# Altium PCB top_LM_v3.PcbDoc (part 2 of 6)
Units mil, origin at the board's own origin, x right, y up, seen from the top; angles counter-clockwise.
Board outline 10500 x 5830 mil, 2 copper layers (Top Layer, Bottom Layer); 771 components, 701 nets, 1994 pads, 493 vias.
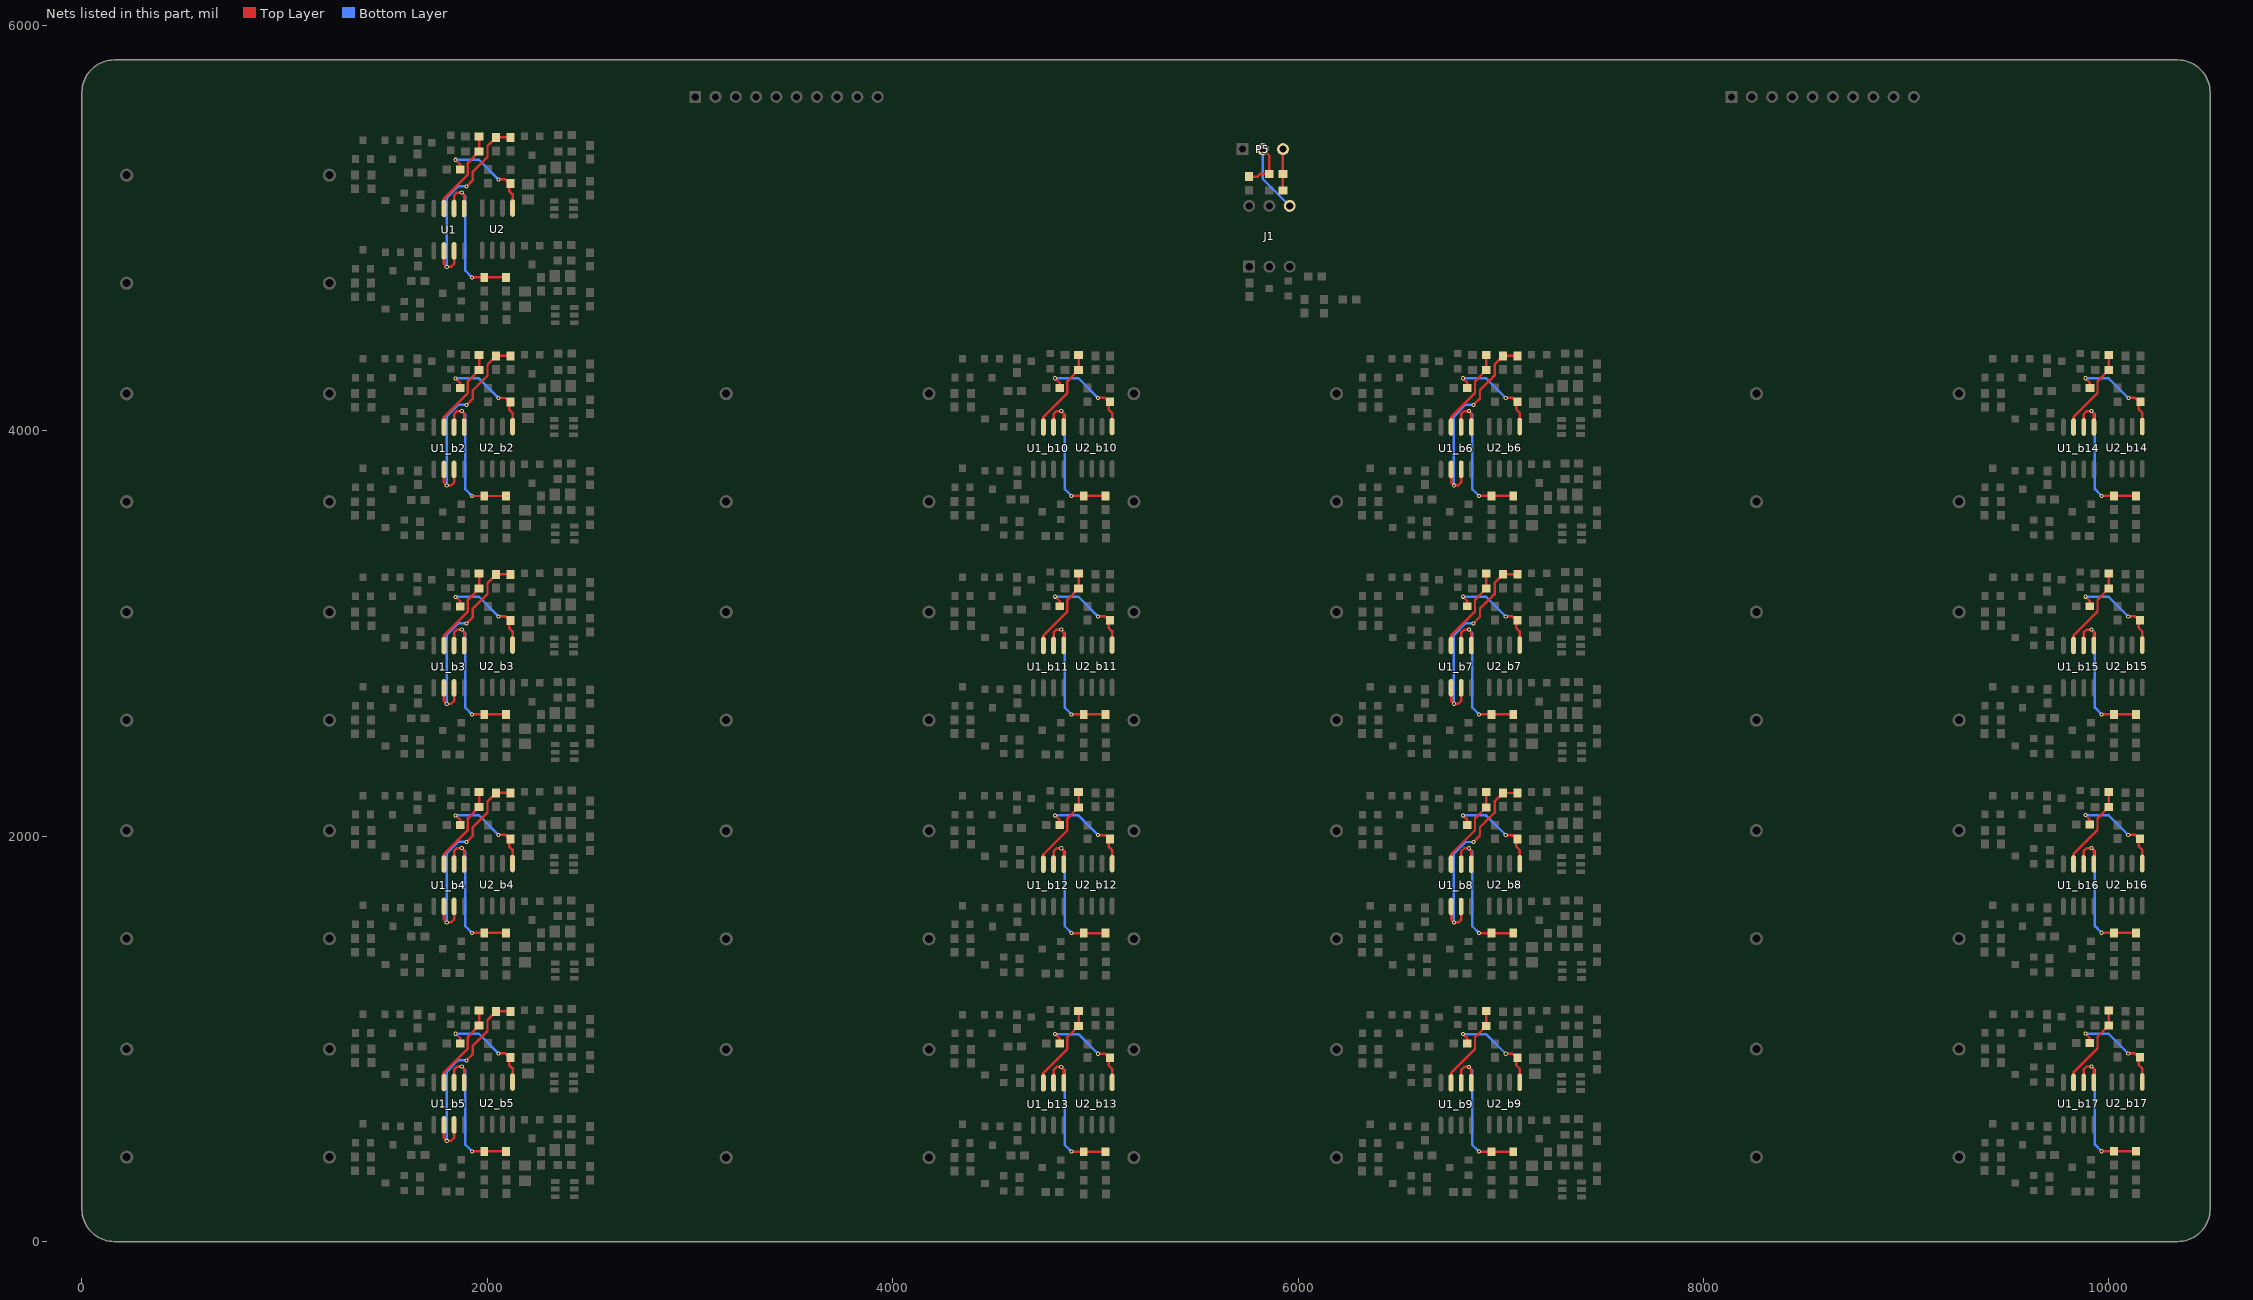
[diagram p2: the nets of this part, all layers, seen from the top]

## Components (designator, comment, footprint, x,y, rotation, side; value= is the part's Value field where it differs from the comment) (continued)
R41_b10 "Res1" 0603-1 4304.82,3617.58 r270 top (schematic designator R41)
R41_b11 "Res1" 0603-1 4304.82,2539.58 r270 top (schematic designator R41)
R41_b12 "Res1" 0603-1 4304.82,1460.58 r270 top (schematic designator R41)
R41_b13 "Res1" 0603-1 4304.82,381.58 r270 top (schematic designator R41)
R41_b14 "Res1" 0603-1 9387.82,3617.58 r270 top (schematic designator R41)
R41_b15 "Res1" 0603-1 9387.57,2539.58 r270 top (schematic designator R41)
R41_b16 "Res1" 0603-1 9387.57,1461.58 r270 top (schematic designator R41)
R41_b17 "Res1" 0603-1 9387.57,383.58 r270 top (schematic designator R41)
R42 "Res1" 0603-1 1426.82,4695.58 r270 top
R42_b2 "Res1" 0603-1 1426.82,3617.26 r270 top (schematic designator R42)
R42_b3 "Res1" 0603-1 1426.82,2539.26 r270 top (schematic designator R42)
R42_b4 "Res1" 0603-1 1426.82,1461.26 r270 top (schematic designator R42)
R42_b5 "Res1" 0603-1 1426.82,383.26 r270 top (schematic designator R42)
R42_b6 "Res1" 0603-1 6396.08,3617.58 r270 top (schematic designator R42)
R42_b7 "Res1" 0603-1 6396.08,2539.58 r270 top (schematic designator R42)
R42_b8 "Res1" 0603-1 6396.08,1460.58 r270 top (schematic designator R42)
R42_b9 "Res1" 0603-1 6396.08,381.58 r270 top (schematic designator R42)
R42_b10 "Res1" 0603-1 4384.82,3617.58 r270 top (schematic designator R42)
R42_b11 "Res1" 0603-1 4384.82,2539.58 r270 top (schematic designator R42)
R42_b12 "Res1" 0603-1 4384.82,1460.58 r270 top (schematic designator R42)
R42_b13 "Res1" 0603-1 4384.82,381.58 r270 top (schematic designator R42)
R42_b14 "Res1" 0603-1 9467.82,3617.58 r270 top (schematic designator R42)
R42_b15 "Res1" 0603-1 9467.57,2539.58 r270 top (schematic designator R42)
R42_b16 "Res1" 0603-1 9467.57,1461.58 r270 top (schematic designator R42)
R42_b17 "Res1" 0603-1 9467.57,383.58 r270 top (schematic designator R42)
R43 "Res1" 0603-1 2092.82,4723.58 r270 top
R43_b2 "Res1" 0603-1 2092.82,3645.26 r270 top (schematic designator R43)
R43_b3 "Res1" 0603-1 2092.82,2567.26 r270 top (schematic designator R43)
R43_b4 "Res1" 0603-1 2092.82,1489.26 r270 top (schematic designator R43)
R43_b5 "Res1" 0603-1 2092.82,411.26 r270 top (schematic designator R43)
R43_b6 "Res1" 0603-1 7062.08,3645.58 r270 top (schematic designator R43)
R43_b7 "Res1" 0603-1 7062.08,2567.58 r270 top (schematic designator R43)
R43_b8 "Res1" 0603-1 7062.08,1488.58 r270 top (schematic designator R43)
R43_b9 "Res1" 0603-1 7062.08,409.58 r270 top (schematic designator R43)
R43_b10 "Res1" 0603-1 5050.82,3645.58 r270 top (schematic designator R43)
R43_b11 "Res1" 0603-1 5050.82,2567.58 r270 top (schematic designator R43)
R43_b12 "Res1" 0603-1 5050.82,1488.58 r270 top (schematic designator R43)
R43_b13 "Res1" 0603-1 5050.82,409.58 r270 top (schematic designator R43)
R43_b14 "Res1" 0603-1 10133.82,3645.58 r270 top (schematic designator R43)
R43_b15 "Res1" 0603-1 10133.57,2567.58 r270 top (schematic designator R43)
R43_b16 "Res1" 0603-1 10133.57,1489.58 r270 top (schematic designator R43)
R43_b17 "Res1" 0603-1 10133.57,411.58 r270 top (schematic designator R43)
R44 "Res1" 0603-1 2093.82,4582.58 r270 top
R44_b2 "Res1" 0603-1 2093.82,3504.26 r270 top (schematic designator R44)
R44_b3 "Res1" 0603-1 2093.82,2426.26 r270 top (schematic designator R44)
R44_b4 "Res1" 0603-1 2093.82,1348.26 r270 top (schematic designator R44)
R44_b5 "Res1" 0603-1 2093.82,270.26 r270 top (schematic designator R44)
R44_b6 "Res1" 0603-1 7063.08,3504.58 r270 top (schematic designator R44)
R44_b7 "Res1" 0603-1 7063.08,2426.58 r270 top (schematic designator R44)
R44_b8 "Res1" 0603-1 7063.08,1347.58 r270 top (schematic designator R44)
R44_b9 "Res1" 0603-1 7063.08,268.58 r270 top (schematic designator R44)
R44_b10 "Res1" 0603-1 5051.82,3504.58 r270 top (schematic designator R44)
R44_b11 "Res1" 0603-1 5051.82,2426.58 r270 top (schematic designator R44)
R44_b12 "Res1" 0603-1 5051.82,1347.58 r270 top (schematic designator R44)
R44_b13 "Res1" 0603-1 5051.82,268.58 r270 top (schematic designator R44)
R44_b14 "Res1" 0603-1 10134.82,3504.58 r270 top (schematic designator R44)
R44_b15 "Res1" 0603-1 10134.57,2426.58 r270 top (schematic designator R44)
R44_b16 "Res1" 0603-1 10134.57,1348.58 r270 top (schematic designator R44)
R44_b17 "Res1" 0603-1 10134.57,270.58 r270 top (schematic designator R44)
R45 "Res1" 0603-1 2114.82,5414.58 r270 top
R45_b2 "Res1" 0603-1 2114.82,4336.26 r270 top (schematic designator R45)
R45_b3 "Res1" 0603-1 2114.82,3258.26 r270 top (schematic designator R45)
R45_b4 "Res1" 0603-1 2114.82,2180.26 r270 top (schematic designator R45)
R45_b5 "Res1" 0603-1 2114.82,1102.26 r270 top (schematic designator R45)
R45_b6 "Res1" 0603-1 7084.08,4336.58 r270 top (schematic designator R45)
R45_b7 "Res1" 0603-1 7084.08,3258.58 r270 top (schematic designator R45)
R45_b8 "Res1" 0603-1 7084.08,2179.58 r270 top (schematic designator R45)
R45_b9 "Res1" 0603-1 7084.08,1100.58 r270 top (schematic designator R45)
R45_b10 "Res1" 0603-1 5072.82,4336.58 r270 top (schematic designator R45)
R45_b11 "Res1" 0603-1 5072.82,3258.58 r270 top (schematic designator R45)
R45_b12 "Res1" 0603-1 5072.82,2179.58 r270 top (schematic designator R45)
R45_b13 "Res1" 0603-1 5072.82,1100.58 r270 top (schematic designator R45)
R45_b14 "Res1" 0603-1 10155.82,4336.58 r270 top (schematic designator R45)
R45_b15 "Res1" 0603-1 10155.57,3258.58 r270 top (schematic designator R45)
R45_b16 "Res1" 0603-1 10155.57,2180.58 r270 top (schematic designator R45)
R45_b17 "Res1" 0603-1 10155.57,1102.58 r270 top (schematic designator R45)
R46 "Res1" 0603-1 2114.82,5254.58 r270 top
R46_b2 "Res1" 0603-1 2114.82,4176.26 r270 top (schematic designator R46)
R46_b3 "Res1" 0603-1 2114.82,3098.26 r270 top (schematic designator R46)
R46_b4 "Res1" 0603-1 2114.82,2020.26 r270 top (schematic designator R46)
R46_b5 "Res1" 0603-1 2114.82,942.26 r270 top (schematic designator R46)
R46_b6 "Res1" 0603-1 7084.08,4176.58 r270 top (schematic designator R46)
R46_b7 "Res1" 0603-1 7084.08,3098.58 r270 top (schematic designator R46)
R46_b8 "Res1" 0603-1 7084.08,2019.58 r270 top (schematic designator R46)
R46_b9 "Res1" 0603-1 7084.08,940.58 r270 top (schematic designator R46)
R46_b10 "Res1" 0603-1 5072.82,4176.58 r270 top (schematic designator R46)
R46_b11 "Res1" 0603-1 5072.82,3098.58 r270 top (schematic designator R46)
R46_b12 "Res1" 0603-1 5072.82,2019.58 r270 top (schematic designator R46)
R46_b13 "Res1" 0603-1 5072.82,940.58 r270 top (schematic designator R46)
R46_b14 "Res1" 0603-1 10155.82,4176.58 r270 top (schematic designator R46)
R46_b15 "Res1" 0603-1 10155.57,3098.58 r270 top (schematic designator R46)
R46_b16 "Res1" 0603-1 10155.57,2020.58 r270 top (schematic designator R46)
R46_b17 "Res1" 0603-1 10155.57,942.58 r270 top (schematic designator R46)
R47 "Res1" 0603-1 2042.82,5414.58 r270 top
R47_b2 "Res1" 0603-1 2042.82,4336.26 r270 top (schematic designator R47)
R47_b3 "Res1" 0603-1 2042.82,3258.26 r270 top (schematic designator R47)
R47_b4 "Res1" 0603-1 2042.82,2180.26 r270 top (schematic designator R47)
R47_b5 "Res1" 0603-1 2042.82,1102.26 r270 top (schematic designator R47)
R47_b6 "Res1" 0603-1 7012.08,4336.58 r270 top (schematic designator R47)
R47_b7 "Res1" 0603-1 7012.08,3258.58 r270 top (schematic designator R47)
R47_b8 "Res1" 0603-1 7012.08,2179.58 r270 top (schematic designator R47)
R47_b9 "Res1" 0603-1 7012.08,1100.58 r270 top (schematic designator R47)
R47_b10 "Res1" 0603-1 5000.82,4336.58 r270 top (schematic designator R47)
R47_b11 "Res1" 0603-1 5000.82,3258.58 r270 top (schematic designator R47)
R47_b12 "Res1" 0603-1 5000.82,2179.58 r270 top (schematic designator R47)
R47_b13 "Res1" 0603-1 5000.82,1100.58 r270 top (schematic designator R47)
R47_b14 "Res1" 0603-1 10083.82,4336.58 r270 top (schematic designator R47)
R47_b15 "Res1" 0603-1 10083.57,3258.58 r270 top (schematic designator R47)
R47_b16 "Res1" 0603-1 10083.57,2180.58 r270 top (schematic designator R47)
R47_b17 "Res1" 0603-1 10083.57,1102.58 r270 top (schematic designator R47)
R48 "Res1" 0603-1 2002.82,5255.58 r270 top
R48_b2 "Res1" 0603-1 2002.82,4177.26 r270 top (schematic designator R48)
R48_b3 "Res1" 0603-1 2002.82,3099.26 r270 top (schematic designator R48)
R48_b4 "Res1" 0603-1 2002.82,2021.26 r270 top (schematic designator R48)
R48_b5 "Res1" 0603-1 2002.82,943.26 r270 top (schematic designator R48)
R48_b6 "Res1" 0603-1 6972.08,4177.58 r270 top (schematic designator R48)
R48_b7 "Res1" 0603-1 6972.08,3099.58 r270 top (schematic designator R48)
R48_b8 "Res1" 0603-1 6972.08,2020.58 r270 top (schematic designator R48)
R48_b9 "Res1" 0603-1 6972.08,941.58 r270 top (schematic designator R48)
R48_b10 "Res1" 0603-1 4960.82,4177.58 r270 top (schematic designator R48)
R48_b11 "Res1" 0603-1 4960.82,3099.58 r270 top (schematic designator R48)
R48_b12 "Res1" 0603-1 4960.82,2020.58 r270 top (schematic designator R48)
R48_b13 "Res1" 0603-1 4960.82,941.58 r270 top (schematic designator R48)
R48_b14 "Res1" 0603-1 10043.82,4177.58 r270 top (schematic designator R48)
R48_b15 "Res1" 0603-1 10043.57,3099.58 r270 top (schematic designator R48)
R48_b16 "Res1" 0603-1 10043.57,2021.58 r270 top (schematic designator R48)
R48_b17 "Res1" 0603-1 10043.57,943.58 r270 top (schematic designator R48)
R49 "Res1" 0603-1 1984.82,4723.58 r270 top
R49_b2 "Res1" 0603-1 1984.82,3645.26 r270 top (schematic designator R49)
R49_b3 "Res1" 0603-1 1984.82,2567.26 r270 top (schematic designator R49)
R49_b4 "Res1" 0603-1 1984.82,1489.26 r270 top (schematic designator R49)
R49_b5 "Res1" 0603-1 1984.82,411.26 r270 top (schematic designator R49)
R49_b6 "Res1" 0603-1 6954.08,3645.58 r270 top (schematic designator R49)
R49_b7 "Res1" 0603-1 6954.08,2567.58 r270 top (schematic designator R49)
R49_b8 "Res1" 0603-1 6954.08,1488.58 r270 top (schematic designator R49)
R49_b9 "Res1" 0603-1 6954.08,409.58 r270 top (schematic designator R49)
R49_b10 "Res1" 0603-1 4942.82,3645.58 r270 top (schematic designator R49)
R49_b11 "Res1" 0603-1 4942.82,2567.58 r270 top (schematic designator R49)
R49_b12 "Res1" 0603-1 4942.82,1488.58 r270 top (schematic designator R49)
R49_b13 "Res1" 0603-1 4942.82,409.58 r270 top (schematic designator R49)
R49_b14 "Res1" 0603-1 10025.82,3645.58 r270 top (schematic designator R49)
R49_b15 "Res1" 0603-1 10025.57,2567.58 r270 top (schematic designator R49)
R49_b16 "Res1" 0603-1 10025.57,1489.58 r270 top (schematic designator R49)
R49_b17 "Res1" 0603-1 10025.57,411.58 r270 top (schematic designator R49)
R50 "Res1" 0603-1 1984.82,4582.58 r270 top
R50_b2 "Res1" 0603-1 1984.82,3504.26 r270 top (schematic designator R50)
R50_b3 "Res1" 0603-1 1984.82,2426.26 r270 top (schematic designator R50)
R50_b4 "Res1" 0603-1 1984.82,1348.26 r270 top (schematic designator R50)
R50_b5 "Res1" 0603-1 1984.82,270.26 r270 top (schematic designator R50)
R50_b6 "Res1" 0603-1 6954.08,3504.58 r270 top (schematic designator R50)
R50_b7 "Res1" 0603-1 6954.08,2426.58 r270 top (schematic designator R50)
R50_b8 "Res1" 0603-1 6954.08,1347.58 r270 top (schematic designator R50)
R50_b9 "Res1" 0603-1 6954.08,268.58 r270 top (schematic designator R50)
R50_b10 "Res1" 0603-1 4942.82,3504.58 r270 top (schematic designator R50)
R50_b11 "Res1" 0603-1 4942.82,2426.58 r270 top (schematic designator R50)
R50_b12 "Res1" 0603-1 4942.82,1347.58 r270 top (schematic designator R50)
R50_b13 "Res1" 0603-1 4942.82,268.58 r270 top (schematic designator R50)
R50_b14 "Res1" 0603-1 10025.82,3504.58 r270 top (schematic designator R50)
R50_b15 "Res1" 0603-1 10025.57,2426.58 r270 top (schematic designator R50)
R50_b16 "Res1" 0603-1 10025.57,1348.58 r270 top (schematic designator R50)
R50_b17 "Res1" 0603-1 10025.57,270.58 r270 top (schematic designator R50)
R51 "Res1" 0603-1 2383,5222 r180 top
R51_b2 "Res1" 0603-1 2383,4143.68 r180 top (schematic designator R51)
R51_b3 "Res1" 0603-1 2383,3065.68 r180 top (schematic designator R51)
R51_b4 "Res1" 0603-1 2383,1987.68 r180 top (schematic designator R51)
R51_b5 "Res1" 0603-1 2383,909.68 r180 top (schematic designator R51)
R51_b6 "Res1" 0603-1 7352.25,4144 r180 top (schematic designator R51)
R51_b7 "Res1" 0603-1 7352.25,3066 r180 top (schematic designator R51)
R51_b8 "Res1" 0603-1 7352.25,1987 r180 top (schematic designator R51)
R51_b9 "Res1" 0603-1 7352.25,908 r180 top (schematic designator R51)
R52 "Res1" 0603-1 2271,5256 r90 top
R52_b2 "Res1" 0603-1 2271,4177.68 r90 top (schematic designator R52)
R52_b3 "Res1" 0603-1 2271,3099.68 r90 top (schematic designator R52)
R52_b4 "Res1" 0603-1 2271,2021.68 r90 top (schematic designator R52)
R52_b5 "Res1" 0603-1 2271,943.68 r90 top (schematic designator R52)
R52_b6 "Res1" 0603-1 7240.25,4178 r90 top (schematic designator R52)
R52_b7 "Res1" 0603-1 7240.25,3100 r90 top (schematic designator R52)
R52_b8 "Res1" 0603-1 7240.25,2021 r90 top (schematic designator R52)
R52_b9 "Res1" 0603-1 7240.25,942 r90 top (schematic designator R52)
R53 "Res1" 0603-1 2381,4689 r0 top
R53_b2 "Res1" 0603-1 2381,3610.68 r0 top (schematic designator R53)
R53_b3 "Res1" 0603-1 2381,2532.68 r0 top (schematic designator R53)
R53_b4 "Res1" 0603-1 2381,1454.68 r0 top (schematic designator R53)
R53_b5 "Res1" 0603-1 2381,376.68 r0 top (schematic designator R53)
R53_b6 "Res1" 0603-1 7350.25,3611 r0 top (schematic designator R53)
R53_b7 "Res1" 0603-1 7350.25,2533 r0 top (schematic designator R53)
R53_b8 "Res1" 0603-1 7350.25,1454 r0 top (schematic designator R53)
R53_b9 "Res1" 0603-1 7350.25,375 r0 top (schematic designator R53)
R54 "Res1" 0603-1 2264,4723 r90 top
R54_b2 "Res1" 0603-1 2264,3644.68 r90 top (schematic designator R54)
R54_b3 "Res1" 0603-1 2264,2566.68 r90 top (schematic designator R54)
R54_b4 "Res1" 0603-1 2264,1488.68 r90 top (schematic designator R54)
R54_b5 "Res1" 0603-1 2264,410.68 r90 top (schematic designator R54)
R54_b6 "Res1" 0603-1 7233.25,3645 r90 top (schematic designator R54)
R54_b7 "Res1" 0603-1 7233.25,2567 r90 top (schematic designator R54)
R54_b8 "Res1" 0603-1 7233.25,1488 r90 top (schematic designator R54)
R54_b9 "Res1" 0603-1 7233.25,409 r90 top (schematic designator R54)
U1 "LM358" SOIC-8 1810.82,4992.58 r270 top
U1_b2 "LM358" SOIC-8 1810.82,3914.26 r270 top (schematic designator U1)
U1_b3 "LM358" SOIC-8 1810.82,2836.26 r270 top (schematic designator U1)
U1_b4 "LM358" SOIC-8 1810.82,1758.26 r270 top (schematic designator U1)
U1_b5 "LM358" SOIC-8 1810.82,680.26 r270 top (schematic designator U1)
U1_b6 "LM358" SOIC-8 6780.08,3914.58 r270 top (schematic designator U1)
U1_b7 "LM358" SOIC-8 6780.08,2836.58 r270 top (schematic designator U1)
U1_b8 "LM358" SOIC-8 6780.08,1757.58 r270 top (schematic designator U1)
U1_b9 "LM358" SOIC-8 6780.08,678.58 r270 top (schematic designator U1)
U1_b10 "LM358" SOIC-8 4768.82,3914.58 r270 top (schematic designator U1)
U1_b11 "LM358" SOIC-8 4768.82,2836.58 r270 top (schematic designator U1)
U1_b12 "LM358" SOIC-8 4768.82,1757.58 r270 top (schematic designator U1)
U1_b13 "LM358" SOIC-8 4768.82,678.58 r270 top (schematic designator U1)
U1_b14 "LM358" SOIC-8 9851.82,3914.58 r270 top (schematic designator U1)
U1_b15 "LM358" SOIC-8 9851.57,2836.58 r270 top (schematic designator U1)
U1_b16 "LM358" SOIC-8 9851.57,1758.58 r270 top (schematic designator U1)
U1_b17 "LM358" SOIC-8 9851.57,680.58 r270 top (schematic designator U1)
U2 "LM358" SOIC-8 2049.82,4994.86 r270 top
U2_b2 "LM358" SOIC-8 2049.82,3916.54 r270 top (schematic designator U2)
U2_b3 "LM358" SOIC-8 2049.82,2838.54 r270 top (schematic designator U2)
U2_b4 "LM358" SOIC-8 2049.82,1760.54 r270 top (schematic designator U2)
U2_b5 "LM358" SOIC-8 2049.82,682.54 r270 top (schematic designator U2)
U2_b6 "LM358" SOIC-8 7019.08,3916.86 r270 top (schematic designator U2)
U2_b7 "LM358" SOIC-8 7019.08,2838.86 r270 top (schematic designator U2)
U2_b8 "LM358" SOIC-8 7019.08,1759.86 r270 top (schematic designator U2)
U2_b9 "LM358" SOIC-8 7019.08,680.86 r270 top (schematic designator U2)
U2_b10 "LM358" SOIC-8 5007.82,3916.86 r270 top (schematic designator U2)
U2_b11 "LM358" SOIC-8 5007.82,2838.86 r270 top (schematic designator U2)
U2_b12 "LM358" SOIC-8 5007.82,1759.86 r270 top (schematic designator U2)
U2_b13 "LM358" SOIC-8 5007.82,680.86 r270 top (schematic designator U2)
U2_b14 "LM358" SOIC-8 10090.82,3916.86 r270 top (schematic designator U2)
U2_b15 "LM358" SOIC-8 10090.57,2838.86 r270 top (schematic designator U2)
U2_b16 "LM358" SOIC-8 10090.57,1760.86 r270 top (schematic designator U2)
U2_b17 "LM358" SOIC-8 10090.57,682.86 r270 top (schematic designator U2)
U3 "CN958" SOT23-6 2378,5097 r0 top
U3_b2 "CN958" SOT23-6 2378,4018.68 r0 top (schematic designator U3)
U3_b3 "CN958" SOT23-6 2378,2940.68 r0 top (schematic designator U3)
U3_b4 "CN958" SOT23-6 2378,1862.68 r0 top (schematic designator U3)
U3_b5 "CN958" SOT23-6 2378,784.68 r0 top (schematic designator U3)
U3_b6 "CN958" SOT23-6 7347.25,4019 r0 top (schematic designator U3)
U3_b7 "CN958" SOT23-6 7347.25,2941 r0 top (schematic designator U3)
U3_b8 "CN958" SOT23-6 7347.25,1862 r0 top (schematic designator U3)
U3_b9 "CN958" SOT23-6 7347.25,783 r0 top (schematic designator U3)
U4 "CN958" SOT23-6 2382,4571 r0 top
U4_b2 "CN958" SOT23-6 2382,3492.68 r0 top (schematic designator U4)
U4_b3 "CN958" SOT23-6 2382,2414.68 r0 top (schematic designator U4)
U4_b4 "CN958" SOT23-6 2382,1336.68 r0 top (schematic designator U4)
U4_b5 "CN958" SOT23-6 2382,258.68 r0 top (schematic designator U4)
U4_b6 "CN958" SOT23-6 7351.25,3493 r0 top (schematic designator U4)
U4_b7 "CN958" SOT23-6 7351.25,2415 r0 top (schematic designator U4)
U4_b8 "CN958" SOT23-6 7351.25,1336 r0 top (schematic designator U4)
U4_b9 "CN958" SOT23-6 7351.25,257 r0 top (schematic designator U4)
